# KiCad board AMC_FMC_Carrier-PcbDoc.kicad_pcb (continued)
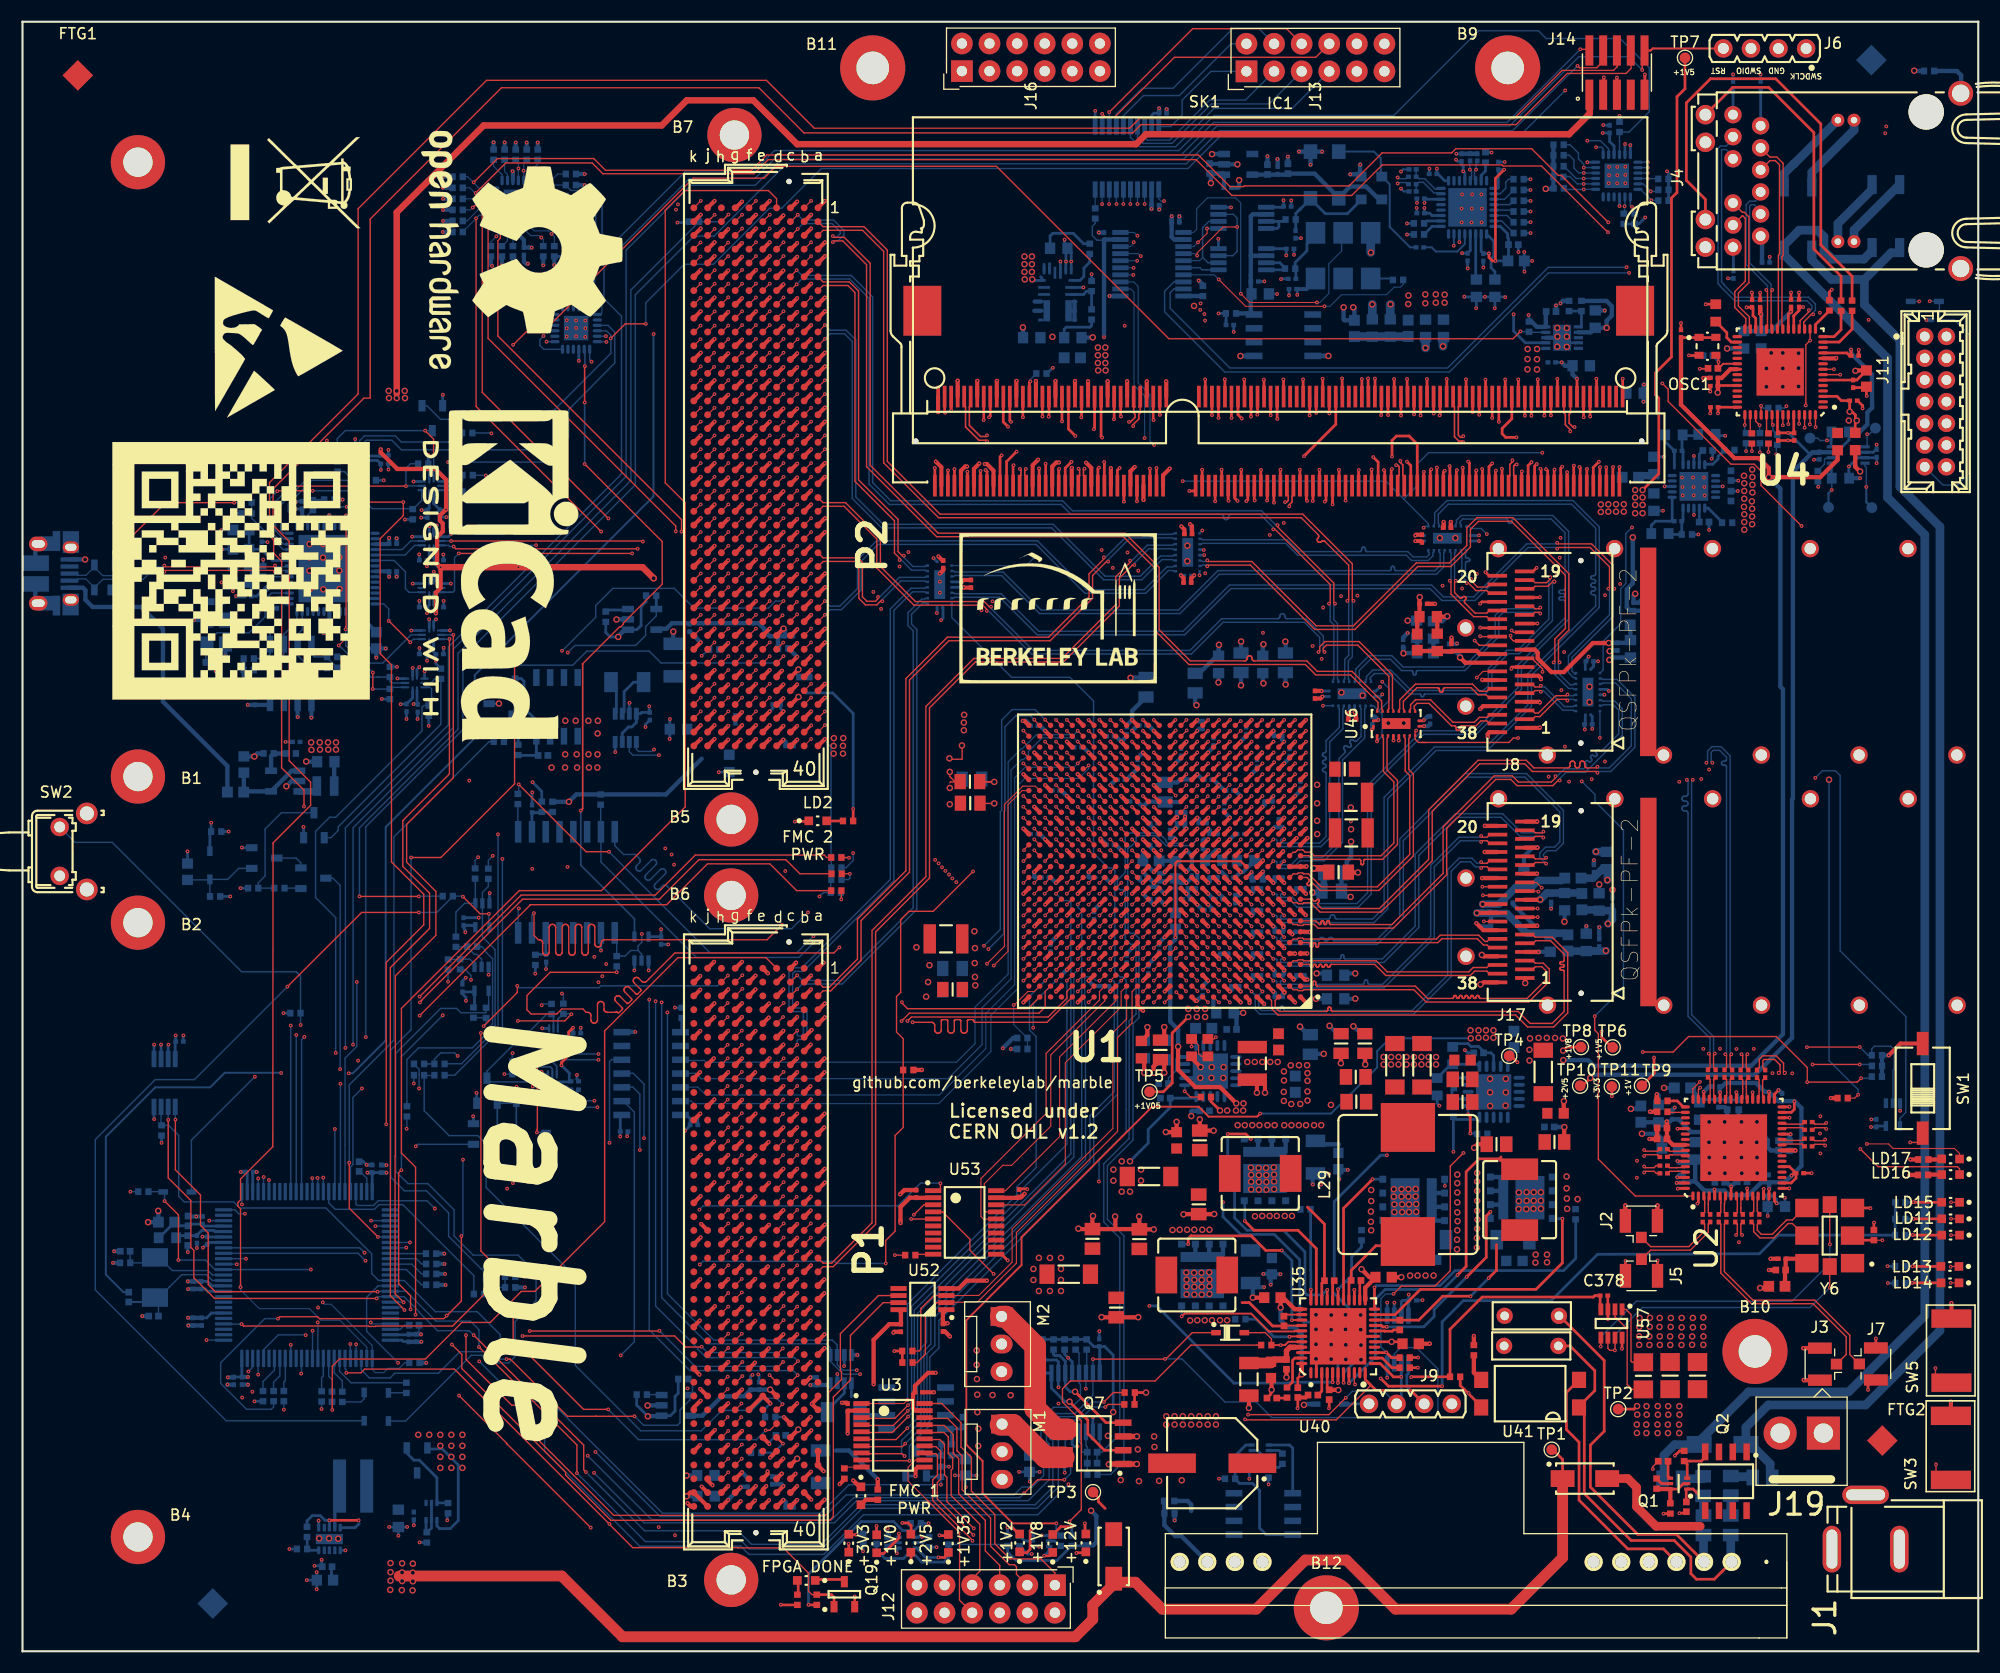
[diagram p0: board, top side]
## Routing (per net, layer and track width the routed paths; a pad name or vN(x,y) marks a point on that pad's centre or on a via; arc(x,y) is an arc through that point) (continued)
/FPGA/FPGA_MISO: length 43.3
  In4.Cu w0.127: v1(22.68,43.37) 25.45,46.14 v1(56.82,46.14)
  Bottom w0.127: 55.27,51.93 56.17,51.93 56.82,51.29 v1(56.82,46.14) ; 22.68,42.31 22.68,43.37 v1(22.68,43.37)
/FPGA/FPGA_MOSI: length 56.4
  In4.Cu w0.127: v1(24.69,28.21) 25.66,27.23 v1(55.05,27.23)
  Bottom w0.127: v1(24.69,28.21) 24.69,26.96 U54.91 ; 55.27,50.66 56.31,49.63 56.31,28.49 v1(55.05,27.23)
/FPGA/FPGA_PWR&MISC/FPGA_INIT: length 117.8
  Top w0.127: v1(112.09,65.75) 111.62,66.22 U1.G7
  In2.Cu w0.127: v1(112.09,65.75) 111.84,65.75 111.48,66.11 110.24,66.11 109.28,67.07 106.97,67.07 106.72,66.83 106.72,64.18 v1(107.09,63.81)
  In4.Cu w0.127: v1(46.92,72.02) 49.84,72.02 50,71.86 60.49,71.86 62.1,73.47 v1(76.45,73.47)
  In7.Cu w0.127: v1(46.92,72.02) 46.24,71.34 v1(46.24,34.48)
  In9.Cu w0.127: v1(107.09,63.81) 106.74,63.81 106.42,64.13 106.19,64.13 105.78,64.54 105.78,64.9 105.28,65.39 104.96,65.39 104.75,65.59 104.75,66.64 104.3,67.1 104.25,67.1 103.78,67.57 103.78,67.82 103.5,68.1 100.82,68.1 100.82,68.1 79.51,68.1 76.63,70.99 76.63,73.3 v1(76.45,73.47)
  Bottom w0.127: v1(76.45,73.47) 76.45,72.79 75.79,72.13 R282.1 ; R159.1 v1(46.24,34.48)
/FPGA/FPGA_REF_CLK0_N: length 140.4
  Top w0.13: v1(158.26,38.32) 158.15,38.43 158.15,39.33 C96.2
  In9.Cu w0.13: v1(158.26,38.32) 158.15,38.43 158.15,39.09 159.63,40.57 165.6,40.57 170.82,45.79 170.82,72.75 167.19,76.39 167.19,112.1 166.28,113.01 166.28,123.66 162.55,127.38 152.36,127.38 147.16,132.59 144.44,132.59 138.32,138.71 134.27,138.71 133.33,137.77 133.33,136.51 v1(133.21,136.39)
  Bottom w0.112: U20.5 133.33,135.45
  Bottom w0.127: R59.2 133.21,137.17 v1(133.21,136.39)
  Bottom w0.13: U20.5 133.36,135.48 133.36,136.24 v1(133.21,136.39)
/FPGA/FPGA_REF_CLK0_P: length 140.4
  Top w0.13: C84.2 157.82,39.33 157.82,38.43 v1(157.71,38.32)
  In9.Cu w0.13: v1(133.78,136.39) 133.66,136.51 133.66,137.64 134.41,138.38 138.18,138.38 144.3,132.26 147.02,132.26 152.23,127.05 162.41,127.05 165.95,123.52 165.95,112.88 166.86,111.96 166.86,76.25 170.49,72.62 170.49,45.93 168.18,43.62 168.15,43.59 168.11,43.57 168.06,43.56 168.02,43.56 167.97,43.57 167.93,43.59 167.9,43.62 167.87,43.65 167.83,43.68 167.79,43.7 167.75,43.71 167.7,43.71 167.66,43.7 167.62,43.68 167.58,43.65 167.55,43.62 167.54,43.57 167.53,43.53 167.53,43.49 167.54,43.44 167.55,43.4 167.58,43.37 167.62,43.33 167.64,43.3 167.66,43.26 167.67,43.22 167.67,43.17 167.66,43.13 167.64,43.09 167.62,43.05 167.58,43.02 167.54,43 167.5,42.99 167.45,42.99 167.41,43 167.37,43.02 167.33,43.05 167.3,43.08 167.26,43.11 167.22,43.13 167.18,43.14 167.14,43.14 167.09,43.13 167.05,43.11 167.02,43.08 166.99,43.05 166.97,43.01 166.96,42.97 166.96,42.92 166.97,42.88 166.99,42.84 167.02,42.8 167.05,42.77 167.08,42.73 167.1,42.69 167.11,42.65 167.11,42.61 167.1,42.56 167.08,42.52 167.05,42.49 165.46,40.9 159.49,40.9 157.82,39.22 157.82,38.43 v1(157.71,38.32)
  Bottom w0.112: U20.6 133.66,135.45
  Bottom w0.127: R60.2 133.78,137.08 v1(133.78,136.39)
  Bottom w0.13: v1(133.78,136.39) 133.63,136.24 133.63,135.48 U20.6
/FPGA/FPGA_RESETn: length 28.5
  Top w0.127: v1(43.35,33.47) 43.11,33.47 39.58,29.94 32.51,29.94 32.47,29.9 31.89,29.9 31.85,29.94 20.34,29.94 v1(20.16,30.11)
  Bottom w0.102: v1(43.35,33.47) 43.38,33.49 R142.1
  Bottom w0.127: v1(20.16,30.11) 18.53,30.11 U54.4 ; R159.2 R142.1
/FPGA/FPGA_SCK: length 43.5
  In4.Cu w0.127: v1(54.02,46.8) 54,46.83 25.12,46.83 22.2,43.9 v1(22.2,43.65)
  Bottom w0.127: 22.18,42.31 22.18,43.64 v1(22.2,43.65) ; 55.27,54.47 54.21,54.47 54.02,54.28 v1(54.02,46.8)
/FPGA/FPGA_SSEL: length 46
  In4.Cu w0.127: v1(21.69,43.53) 21.69,43.77 25.15,47.23 54.33,47.23 54.71,46.85 56.82,46.85 v1(57.2,47.23)
  Bottom w0.127: v1(57.2,47.23) 57.2,52.21 56.21,53.2 55.27,53.2 ; v1(21.69,43.53) 21.68,43.52 21.68,42.31
/FPGA/FPGA_TCK: length 69.3
  Top w0.102: U1.L8 v1(111.12,69.73)
  In2.Cu w0.127: v1(85.94,70.8) 86.62,70.12 93.53,70.12 93.54,70.11 104.94,70.11 104.98,70.14 110.71,70.14 v1(111.12,69.73)
  In4.Cu w0.127: v1(85.94,70.8) 83.88,68.74 78.62,68.74 76.41,66.53 69.79,66.53 67.98,64.72 53.52,64.72 53.4,64.85 51.65,64.85 50.85,64.05 50.85,62.53 49.65,61.32 v1(49.65,60.54)
  Bottom w0.127: v1(49.65,60.54) 49.78,60.41 R229.1
/FPGA/FPGA_TDI: length 75.6
  Top w0.102: U1.R6 v1(113.12,74.73)
  In2.Cu w0.127: v1(113.12,74.73) 112.62,74.73 111.24,73.35 109.97,73.35 108.99,72.36 100.9,72.36 100.63,72.1 97.3,72.1 97.28,72.12 91.64,72.12 91.64,72.12 85.22,72.12 v1(84.94,71.84)
  In4.Cu w0.127: v1(47.78,59.46) 47.78,61.26 49.6,63.08 49.6,64.86 51.11,66.37 57.16,66.37 57.41,66.12 67.56,66.12 71.47,70.03 83.14,70.03 v1(84.94,71.84)
  Bottom w0.127: R215.1 47.91,59.59 v1(47.78,59.46)
/FPGA/FPGA_TDO: length 82.9
  Top w0.102: U1.R7 v1(112.12,74.73)
  In2.Cu w0.127: v1(84.63,72.16) 84.65,72.16 84.85,72.36 100.39,72.36 101.12,73.1 102.3,73.1 102.51,72.88 108.76,72.88 109.98,74.1 111.49,74.1 v1(112.12,74.73)
  In4.Cu w0.127: 70,69.23 71.52,70.74 83.21,70.74 v1(84.63,72.16) ; 70,69.23 67.57,66.79 67.48,66.79 67.47,66.8 50.43,66.8 49.2,65.57 48.23,64.61 44.76,61.14 44.76,53.54 v1(44.35,53.13) ; 70,69.23 69.95,69.18
  Bottom w0.102: R216.1 v1(44.35,53.13)
/FPGA/FPGA_TMS: length 77.7
  Top w0.127: v1(111.13,71.72) 110.62,72.23 U1.N8
  In2.Cu w0.127: v1(85.58,71.14) 86.36,71.14 87.13,70.36 93.83,70.36 93.86,70.34 94.68,70.34 94.69,70.35 94.66,70.36 99.3,70.36 99.31,70.38 101.31,70.38 101.5,70.57 101.5,70.77 101.8,71.07 110.48,71.07 111.12,71.72 v1(111.13,71.72)
  In4.Cu w0.127: v1(85.58,71.14) 83.67,69.23 76.84,69.23 75.97,68.37 72.96,68.37 72.95,68.35 70.67,68.35 67.89,65.57 51.43,65.57 50.29,64.43 50.29,62.78 48.38,60.87 48.38,59.45 45.11,56.18 v1(45.11,55.06)
  Bottom w0.127: R228.1 45.07,55.02 v1(45.11,55.06)
/FPGA/FPGA_XR_GPIO_0: length 48
  Top w0.127: v1(122.65,24.56) 122.58,24.63 U35.9 ; 83.81,40.44 84.69,40.44 87.2,37.93 87.2,36.92 v1(89.38,34.74)
  In9.Cu w0.102: v1(89.38,34.74) 89.63,34.74 96.69,27.68 112.65,27.68 115.56,24.76 119.08,24.76 119.83,25.52 122.2,25.52 122.65,25.07 v1(122.65,24.56)
/FPGA/I2C_APP_SCL: length 355.7
  Top w0.127: v1(145.25,28.05) 145.27,28.07 U57.5 ; 166.85,40.6 Y6.8 166.33,37.47 v1(166.34,37.46)
  In2.Cu w0.127: v1(144.83,138.45) 144.83,139.08 144.32,139.59 94.26,139.59 91.79,137.13 70.2,137.13 67.82,134.74 58.59,134.74 49.7,125.84 v1(49.7,124.54) 51.22,123.03 52.82,123.03 55.14,120.7 55.14,94.99 58.13,92 v1(58.13,83.01) 58.13,68.18 59.11,67.19 59.11,65.25 58.82,64.96 v1(58.82,59.73)
  In9.Cu w0.127: v1(145.25,28.05) 145.07,27.88 145.07,27.8 143.28,26.01 130.94,26.01 125.5,31.44 116.26,31.44 115.99,31.17 104.83,31.17 103.87,32.13 93.81,32.13 90.39,35.55 81.38,35.55 75.92,30.09 75.92,26.41 76.09,26.24 76.09,26.06 76.64,25.51 v1(77.09,25.51)
  Bottom w0.102: U5.15 48.69,133.69 48.94,133.95 R57.1
  Bottom w0.127: 49.7,124.66 v1(49.7,124.54) ; 49.7,124.66 49.7,126.73 52.75,129.78 52.75,132.71 52.02,133.43 50.49,133.43 50,133.93 R57.1 ; 49.7,124.66 U39.19 ; v1(166.34,37.46) 166.34,35.7 162.86,32.22 148.54,32.22 145.25,28.94 v1(145.25,28.05) ; U32.5 56.5,83.03 56.69,82.83 57.95,82.83 v1(58.13,83.01) ; v1(58.82,59.73) 58.82,32.55 63.08,28.3 73.99,28.3 74.33,27.95 U17.5 74.33,26.71 75.54,25.51 v1(77.09,25.51) ; U34.19 145.48,138.3 145.34,138.45 v1(144.83,138.45)
/FPGA/I2C_APP_SDA: length 352.9
  Top w0.127: U57.6 145.92,27.88 146.09,27.7 v1(146.56,27.7) 146.57,27.71 U57.7 ; v1(166.34,33.47) 166.33,33.48 Y6.7 166.34,35.43
  In2.Cu w0.127: v1(144.02,139.05) 95.11,139.05 92.64,136.58 70.24,136.58 68.02,134.36 59.15,134.36 50.2,125.4 v1(50.2,124.73) 51.56,123.37 53.11,123.37 55.53,120.95 55.53,95.41 58.57,92.37 v1(58.57,82.49) 58.57,68.65 60.17,67.05 60.17,64.74 59.36,63.92 v1(59.36,58.8)
  In9.Cu w0.127: v1(146.56,27.7) 144.26,25.41 130.71,25.41 125.86,30.26 117.11,30.26 116.76,29.92 104.88,29.92 103.49,31.3 93.79,31.3 90.42,34.68 90.27,34.68 89.87,35.08 82.41,35.08 76.49,29.16 76.49,26.16 v1(76.78,25.87)
  Bottom w0.102: U5.14 48.19,134.19 48.97,134.97 R75.1
  Bottom w0.127: v1(58.57,82.49) 56.17,82.49 55.85,82.81 U32.6 ; v1(146.56,27.7) 146.56,29.1 149.09,31.64 164.51,31.64 v1(166.34,33.47) ; U34.20 145.98,138.3 145.23,139.05 v1(144.02,139.05) ; v1(59.36,58.8) 59.36,32.91 63.62,28.64 74.53,28.64 74.98,28.19 U17.6 74.98,26.39 75.5,25.87 v1(76.78,25.87) ; 50.2,124.28 U39.20 v1(50.2,124.73) 50.2,126.62 53.34,129.76 53.34,133.59 52.47,134.47 50.48,134.47 50,134.95 R75.1
/FPGA/I2C_CLKMUX_SCL: length 246.8
  Top w0.127: v1(145.95,131.54) 141.64,135.84 141.59,135.86 141.35,135.86 138.9,138.31 131.91,138.31 131.53,137.93 125.13,137.93 122.09,134.89 112.44,134.89 112.37,134.82 111.13,134.82 108.22,137.73 68.5,137.73 67.09,136.33 53.65,136.33 52.58,137.4 43.71,137.4 v1(41.53,135.22) ; v1(154.38,52.42) 153.74,51.78 U2.48
  In2.Cu w0.127: v1(154.38,52.42) 153.74,51.78 153.74,50.92 156.4,48.26 159.62,48.26 162.96,44.92 170.3,44.92 172.39,47.01 172.39,123.14 168.36,127.17 153.79,127.17 149.43,131.54 v1(145.95,131.54)
  Bottom w0.102: R49.1 40.97,135.73 42,134.69 U5.6
/FPGA/I2C_CLKMUX_SDA: length 241.8
  Top w0.127: v1(154.4,51.88) 154.24,51.72 U2.47 ; v1(41.7,134.23) 44.47,137 52.42,137 53.41,136.01 67.33,136.01 68.63,137.3 108.01,137.3 111.31,134.01 122.33,134.01 125.14,136.82 136.18,136.82 136.28,136.72 139.8,136.72 145.41,131.11 v1(145.92,130.62)
  In2.Cu w0.127: v1(154.4,51.88) 154.23,51.71 154.23,50.97 155.39,49.8 160.02,49.8 164.33,45.49 169.45,45.49 172.1,48.14 172.1,79.03 172.06,79.07 172.06,122.62 167.96,126.72 152.92,126.72 149.02,130.62 v1(145.92,130.62)
  Bottom w0.102: U5.5 41.69,134.19 41.17,134.71 R50.1
/FPGA/I2C_FPGA_SCL: length 200.5
  Top w0.127: v1(39.52,28.24) 40.43,27.32 40.43,26.03 49.99,16.47 49.99,16.22 54.15,12.06 74.29,12.06 74.62,12.39 74.62,23.4 76.2,24.97 76.2,29.07 79.22,32.09 U52.7 ; v1(35.71,31.47) 35.71,32.73 34.62,33.82 34.62,44.04 v1(34.87,44.29)
  In2.Cu w0.127: v1(24.05,22.24) 27.78,25.97 30.22,25.97 v1(35.71,31.47) 36.29,31.47 v1(39.52,28.24)
  In7.Cu w0.127: v1(38.67,58.54) 38.67,60.07 36.13,62.61 36.13,85.54 36.02,85.65 36.02,86.71 37.57,88.27 37.57,94.35 36.88,95.04 36.88,104.04 39.93,107.08 39.93,121.86 45.81,127.75 45.81,129.52 46.93,130.65 48.51,130.65 v1(48.69,130.47)
  Bottom w0.102: R39.2 48.94,130.22 v1(48.69,130.47) 48.41,130.75 47.12,130.75 46.64,131.23 U5.19
  Bottom w0.127: v1(38.67,58.54) 34.87,54.74 v1(34.87,44.29) ; v1(24.05,22.24) R136.1
/FPGA/I2C_FPGA_SDA: length 209
  Top w0.127: v1(23.51,30.62) 23.69,30.79 27.15,30.79 27.33,30.62 38.78,30.62 40.39,32.23 v1(40.39,38.22) ; U52.6 78.78,32.74 75.27,29.24 75.27,25.83 75.37,25.73 75.37,25.01 74.19,23.83 74.19,12.79 73.91,12.51 54.41,12.51 46.51,20.41 46.51,21.72 45.59,22.65 45.03,22.65 40.81,26.86 v1(40.81,29.1)
  In2.Cu w0.127: v1(40.81,29.1) 39.04,30.88 v1(39.04,30.9)
  In7.Cu w0.127: v1(47.75,130.14) 47.75,127.9 40.61,120.76 40.61,105.49 38.39,103.27 38.39,100.79 38.82,100.37 38.82,99.62 38.42,99.22 38.42,65.33 37.61,64.53 37.61,61.97 39.32,60.26 39.32,56.89 40.54,55.67 v1(40.54,45.25)
  Bottom w0.102: R40.2 47.93,129.96 47.57,130.32 46.76,130.32 46.14,130.94 U5.20
  Bottom w0.127: R135.1 23.11,22.48 22.91,22.28 20.62,22.28 18.23,24.67 18.23,26.56 22.29,30.62 v1(23.51,30.62) ; v1(40.54,45.25) 40.54,38.37 v1(40.39,38.22) ; 47.8,130.09 v1(47.75,130.14)
/FPGA/I2C_FPGA_SW_RST: length 170.5
  Top w0.127: 83.81,39.79 83.81,39.79 v1(81.79,39.79)
  In2.Cu w0.127: v1(47.52,23.76) 47.52,45.08 44.76,47.83 44.76,54.87 44.72,54.92 44.72,55.25 44.76,55.29 44.76,76.51 v1(41.12,80.15)
  In4.Cu w0.127: v1(61.21,24.2) 60.75,23.74 47.55,23.74 v1(47.52,23.76)
  In7.Cu w0.127: v1(43.61,130.24) 44.43,131.07 48.96,131.07 49.25,130.78 49.25,129.78 48.63,129.16 48.63,127.77 43.38,122.52 43.18,122.52 41.68,121.02 41.68,105.58 41.12,105.02 v1(41.12,80.15) ; v1(81.79,39.79) 76.94,34.94 62.2,34.94 61.21,33.95 v1(61.21,24.2)
  Bottom w0.102: R41.2 43.1,129.73 v1(43.61,130.24) 44.14,130.77 U5.24
/FPGA/PROG_B: length 290.9
  Top w0.102: U1.P6 v1(113.12,73.73)
  Top w0.127: v1(87.48,71.78) 83.82,68.11 81.59,68.11 80.82,67.35 80.82,60.65 80.44,60.27 80.44,57 81.06,56.38 R160.2 81.06,48.22 80.31,47.47 80.31,38.67 79.45,37.81 v1(79.45,35.7) ; v1(176.06,26.06) 176.06,24.73 SW5.2
  In2.Cu w0.127: v1(62.33,35.6) 60.05,33.33 v1(60.05,10.68) ; v1(113.12,73.73) 112.41,73.02 110.1,73.02 109.18,72.1 101.23,72.1 100.49,71.36 90.88,71.36 90.5,71.74 87.52,71.74 v1(87.48,71.78)
  In4.Cu w0.127: v1(19.72,35.63) 30.89,35.63 31.21,35.3 62.03,35.3 v1(62.33,35.6) ; v1(60.05,10.68) 65.32,10.68 66.76,9.24 73.51,9.24 73.83,9.56 80.55,9.56 81,9.11 84.21,9.11 84.4,9.3 93.05,9.3 93.11,9.23 93.68,9.23 93.83,9.39 97.62,9.39 104.74,16.51 104.74,21.97 105.51,22.75 106.27,22.75 107.87,24.35 113.77,24.35 113.99,24.57 117.49,24.57 118.03,25.1 122.61,25.1 122.97,24.74 142.58,24.74 147.86,30.02 147.86,30.56 148.58,31.28 169.99,31.28 175.21,26.06 v1(176.06,26.06)
  Bottom w0.127: v1(62.33,35.6) 62.62,35.9 74.76,35.9 74.95,35.7 v1(79.45,35.7) ; v1(19.72,35.63) 19.71,35.64 U54.15
/FPGA/QSFP1_INT: length 79.8
  Top w0.127: v1(134.41,69.59) 134.43,69.57 J17.28
  In7.Cu w0.127: v1(134.41,69.59) 134.66,69.59 135.73,70.66 135.73,73.96 140.92,79.14 144.55,79.14 152.71,87.3 152.71,98.76 153.12,99.16 153.12,106.22 153.14,106.24 153.14,106.56 153.12,106.58 153.12,108.59 153.03,108.67 153.03,125.77 150.29,128.51 150.29,133.95 v1(149.86,134.38)
  Bottom w0.127: U34.5 149.17,135.07 v1(149.86,134.38) 150.41,134.38 R304.1
/FPGA/QSFP1_LPMODE: length 88.6
  Top w0.102: v1(134.5,67.18) 134.51,67.17 J17.31
  In7.Cu w0.127: v1(134.5,67.18) 139.56,67.18 139.95,67.55 139.95,68.44 139.68,68.72 139.46,68.72 139.06,69.12 139.06,70.63 139.77,71.34 140.92,71.34 141.7,72.13 141.7,73.24 145.21,76.75 146.89,76.75 154.33,84.19 154.33,102.07 154.84,102.58 154.84,105.38 155.16,105.7 155.16,109.01 154.99,109.18 154.99,116.99 155.04,117.04 155.04,118.31 154.53,118.81 154.53,126.89 151.86,129.56 151.86,134.46 150.77,135.56 v1(149.58,135.56)
  Bottom w0.127: R305.1 150.52,135.56 v1(149.58,135.56) 149.56,135.57 U34.4
/FPGA/QSFP1_MOD_PRS: length 77.4
  Top w0.127: J17.27 v1(134.36,70.37)
  In7.Cu w0.127: v1(134.36,70.37) 134.61,70.37 135.35,71.12 135.35,74.08 140.87,79.59 144.37,79.59 152.19,87.42 152.19,125.82 149.91,128.11 v1(149.91,133.57)
  Bottom w0.127: R303.1 150.52,133.57 v1(149.91,133.57) 148.91,134.57 U34.6
/FPGA/QSFP1_MOD_SEL: length 85.1
  Top w0.127: v1(139.45,67.58) 139.45,67.57 J17.8
  In7.Cu w0.127: v1(147.44,133.01) 147.44,134 148.18,134.74 150.29,134.74 150.8,134.23 150.8,128.77 153.72,125.85 153.72,113.22 153.49,112.99 153.49,108.42 153.41,108.34 153.41,106.85 153.47,106.79 153.47,98.43 153.26,98.21 153.26,87.19 144.85,78.78 141.22,78.78 137.59,75.15 137.59,69.41 139.42,67.58 v1(139.45,67.58)
  Bottom w0.127: R301.2 147.44,132.4 v1(147.44,133.01) 147.48,133.05 U34.8
/FPGA/QSFP1_RST: length 87.9
  Top w0.127: J17.9 139.44,68.37 v1(139.44,68.38)
  In7.Cu w0.127: v1(139.44,68.38) 139.44,68.4 137.92,69.92 137.92,74.39 141.93,78.4 145.13,78.4 145.59,78.85 145.59,78.94 146.09,79.44 146.17,79.44 153.84,87.11 153.84,103.88 154.23,104.26 154.23,117.17 154.03,117.37 154.03,119.55 154.02,119.55 154.02,126.3 151.25,129.07 151.25,134.43 150.57,135.12 148,135.12 146.61,133.72 146.61,132.71 146.89,132.43 147.6,132.43 v1(148.13,132.96)
  Bottom w0.127: U34.7 147.98,133.11 v1(148.13,132.96) 148.13,132.57 R302.2
/FPGA/QSFP1_RX_0_N: length 38.2
  Top w0.127: U1.E3 v1(116.12,63.73)
  Top w0.13: J17.18 138.99,75.57 139.23,75.34 139.86,75.34 v1(139.97,75.45)
  Bottom w0.13: 116.12,63.73 115.85,63.73 115.78,63.67 115.78,63.51 115.89,63.4 118.32,63.4 118.65,63.73 121.22,63.73 121.25,63.73 121.28,63.74 121.3,63.76 121.32,63.78 121.34,63.81 121.35,63.83 121.35,63.86 121.35,63.98 121.35,64.01 121.36,64.04 121.38,64.07 121.4,64.09 121.42,64.1 121.45,64.11 121.48,64.11 121.51,64.11 121.54,64.1 121.56,64.09 121.58,64.07 121.6,64.04 121.61,64.01 121.61,63.98 121.61,63.86 121.61,63.83 121.62,63.81 121.64,63.78 121.66,63.76 121.68,63.74 121.71,63.73 121.74,63.73 125.15,63.73 128.18,66.76 128.18,73.39 131.88,77.1 136.22,77.1 137.97,75.34 139.86,75.34 v1(139.97,75.45)
/FPGA/QSFP1_RX_0_P: length 38.2
  Top w0.127: U1.E4 v1(115.12,63.73)
  Top w0.13: v1(139.97,74.9) 139.86,75.01 139.23,75.01 138.99,74.77 J17.17
  Bottom w0.13: 115.12,63.73 115.38,63.73 115.45,63.66 115.45,63.37 115.76,63.07 118.45,63.07 118.79,63.4 125.29,63.4 128.51,66.62 128.51,73.26 132.02,76.77 136.08,76.77 137.84,75.01 139.86,75.01 v1(139.97,74.9)
/FPGA/QSFP1_RX_1_N: length 31.4
  Top w0.127: U1.C3 v1(116.12,61.73)
  Top w0.13: v1(134.24,75.05) 134.35,74.94 134.8,74.94 135.03,75.17 J17.21
  Bottom w0.13: 116.11,61.73 115.84,61.73 115.77,61.66 115.77,61.5 115.88,61.39 123.35,61.39 123.39,61.4 123.42,61.41 123.45,61.43 123.47,61.45 123.49,61.48 123.5,61.51 123.5,61.54 123.5,61.65 123.51,61.68 123.52,61.71 123.54,61.74 123.56,61.76 123.59,61.78 123.62,61.79 123.65,61.8 123.69,61.79 123.72,61.78 123.75,61.76 123.77,61.74 123.79,61.71 123.8,61.68 123.8,61.65 123.8,61.54 123.81,61.51 123.82,61.48 123.84,61.45 123.86,61.43 123.89,61.41 123.92,61.4 123.95,61.39 125.18,61.39 129.6,65.82 129.6,72.34 132.2,74.94 134.13,74.94 v1(134.24,75.05)
/FPGA/QSFP1_RX_1_P: length 31.4
  Top w0.127: U1.C4 v1(115.12,61.73)
  Top w0.13: v1(134.24,74.5) 134.35,74.61 134.8,74.61 135.03,74.37 J17.22
  Bottom w0.13: v1(134.24,74.5) 134.13,74.61 132.33,74.61 129.93,72.21 129.93,65.68 125.31,61.06 115.74,61.06 115.44,61.37 115.44,61.65 115.37,61.73 115.11,61.73
/FPGA/QSFP1_RX_2_N: length 36.8
  Top w0.127: U1.B5 v1(114.12,60.73)
  Top w0.13: J17.24 135.03,72.77 134.8,72.54 134.35,72.54 v1(134.24,72.65)
  Bottom w0.13: v1(134.24,72.65) 134.13,72.54 133.86,72.54 133.4,73 132.22,73 131.16,71.95 131.16,62.25 127.9,58.98 116.23,58.98 116.2,58.99 116.17,59 116.14,59.01 116.11,59.04 116.1,59.07 116.08,59.1 116.08,59.13 116.08,59.24 116.08,59.27 116.07,59.3 116.05,59.33 116.02,59.35 116,59.37 115.96,59.38 115.93,59.39 115.9,59.38 115.87,59.37 115.84,59.35 115.81,59.33 115.8,59.3 115.78,59.27 115.78,59.24 115.78,59.13 115.78,59.1 115.77,59.07 115.75,59.04 115.72,59.01 115.7,59 115.66,58.99 115.63,58.98 114.01,58.98 113.78,59.21 113.78,60.4 v1(114.12,60.73)
/FPGA/QSFP1_RX_2_P: length 36.8
  Top w0.127: U1.B6 v1(113.12,60.73)
  Top w0.13: v1(134.24,72.1) 134.35,72.21 134.8,72.21 135.03,71.97 J17.25
  Bottom w0.13: v1(113.12,60.73) 113.45,60.4 113.45,59.07 113.88,58.65 128.04,58.65 131.5,62.11 131.5,71.81 132.35,72.67 133.26,72.67 133.72,72.21 134.13,72.21 v1(134.24,72.1)
/FPGA/QSFP1_RX_3_N: length 47.8
  Top w0.13: J17.15 138.99,73.17 139.23,72.94 140.12,72.94 v1(140.23,73.05) ; U1.G3 v1(116.12,65.73)
  Bottom w0.13: 116.12,65.73 115.85,65.73 115.78,65.66 115.78,65.5 115.89,65.4 119.22,65.4 119.26,65.4 119.29,65.41 119.32,65.43 119.35,65.45 119.36,65.48 119.38,65.52 119.38,65.58 119.39,65.62 119.41,65.65 119.44,65.67 119.47,65.69 119.5,65.7 119.53,65.7 119.63,65.7 119.67,65.7 119.7,65.69 119.73,65.67 119.76,65.65 119.77,65.62 119.79,65.58 119.79,65.52 119.8,65.48 119.82,65.45 119.85,65.43 119.88,65.41 119.91,65.4 119.94,65.4 120.04,65.4 120.08,65.4 120.11,65.41 120.14,65.43 120.17,65.45 120.18,65.48 120.2,65.52 120.2,65.58 120.21,65.62 120.23,65.65 120.26,65.67 120.29,65.69 120.32,65.7 120.35,65.7 120.45,65.7 120.49,65.7 120.52,65.69 120.55,65.67 120.58,65.65 120.59,65.62 120.61,65.58 120.61,65.52 120.62,65.48 120.64,65.45 120.67,65.43 120.7,65.41 120.73,65.4 120.76,65.4 124.53,65.4 126.76,67.62 126.76,74.77 132.78,80.8 138.42,80.8 141.81,77.4 141.81,74.37 141.14,73.7 140.32,73.7 139.98,73.35 139.98,73.21 140.14,73.05 v1(140.23,73.05)
/FPGA/QSFP1_RX_3_P: length 47.7
  Top w0.13: v1(140.23,72.5) 140.12,72.61 139.23,72.61 138.99,72.37 J17.14 ; U1.G4 v1(115.12,65.73)
  Bottom w0.13: v1(140.23,72.5) 139.65,73.08 139.65,73.49 140.18,74.03 141,74.03 141.48,74.51 141.48,77.26 138.28,80.47 132.92,80.47 127.09,74.63 127.09,67.49 124.67,65.07 115.76,65.07 115.45,65.37 115.45,65.65 115.38,65.73 115.12,65.73
/FPGA/QSFP1_TX_0_N: length 20
  Top w0.13: U1.D1 118.41,63.23 118.43,63.23 118.46,63.22 118.49,63.2 118.51,63.18 118.52,63.16 118.53,63.13 118.54,63.1 118.54,63.1 118.54,63.07 118.55,63.04 118.56,63.02 118.58,62.99 118.61,62.98 118.64,62.97 118.67,62.97 118.69,62.97 118.72,62.98 118.75,62.99 118.77,63.02 118.78,63.04 118.79,63.07 118.8,63.1 118.8,63.1 118.8,63.13 118.81,63.16 118.82,63.18 118.84,63.2 118.87,63.22 118.9,63.23 118.93,63.23 118.95,63.23 118.98,63.22 119.01,63.2 119.03,63.18 119.04,63.16 119.05,63.13 119.06,63.1 119.06,63.1 119.06,63.07 119.07,63.04 119.08,63.02 119.1,62.99 119.13,62.98 119.16,62.97 119.19,62.97 119.21,62.97 119.24,62.98 119.27,62.99 119.29,63.02 119.3,63.04 119.31,63.07 119.32,63.1 119.32,63.1 119.32,63.13 119.33,63.16 119.34,63.18 119.36,63.2 119.39,63.22 119.42,63.23 119.45,63.23 119.47,63.23 119.5,63.22 119.53,63.2 119.55,63.18 119.56,63.16 119.57,63.13 119.58,63.1 119.58,63.1 119.58,63.07 119.59,63.04 119.6,63.02 119.62,62.99 119.65,62.98 119.68,62.97 119.71,62.97 119.73,62.97 119.76,62.98 119.79,62.99 119.81,63.02 119.82,63.04 119.83,63.07 119.84,63.1 119.84,63.1 119.84,63.13 119.85,63.16 119.86,63.18 119.88,63.2 119.91,63.22 119.94,63.23 119.97,63.23 119.99,63.23 120.02,63.22 120.05,63.2 120.07,63.18 120.08,63.16 120.09,63.13 120.1,63.1 120.1,63.1 120.1,63.07 120.11,63.04 120.12,63.02 120.14,62.99 120.17,62.98 120.2,62.97 120.23,62.97 120.25,62.97 120.28,62.98 120.31,62.99 120.33,63.02 120.34,63.04 120.35,63.07 120.36,63.1 120.36,63.1 120.36,63.13 120.37,63.16 120.38,63.18 120.4,63.2 120.43,63.22 120.46,63.23 120.49,63.23 124.45,63.23 125.47,62.21 133.25,62.21 133.65,62.61 134.76,62.61 135,62.37 J17.37
/FPGA/QSFP1_TX_0_P: length 20
  Top w0.13: U1.D2 116.95,63.56 117.33,63.56 117.42,63.65 117.82,63.65 117.91,63.56 124.58,63.56 125.61,62.54 133.11,62.54 133.51,62.94 134.79,62.94 135.02,63.17 J17.36
/FPGA/QSFP1_TX_1_N: length 29.1
  Top w0.13: J17.2 138.99,62.77 139.23,63.01 139.84,63.01 140.18,62.66 140.18,61.8 138.48,60.1 134.19,60.1 134.16,60.1 134.13,60.11 134.11,60.12 134.08,60.14 134.07,60.17 134.06,60.2 134.06,60.23 134.06,60.24 134.05,60.27 134.04,60.3 134.03,60.32 134.01,60.34 133.98,60.36 133.96,60.37 133.93,60.37 133.9,60.37 133.87,60.36 133.85,60.34 133.82,60.32 133.81,60.3 133.8,60.27 133.8,60.24 133.8,60.23 133.79,60.2 133.78,60.17 133.77,60.14 133.75,60.12 133.72,60.11 133.7,60.1 133.67,60.1 133.64,60.1 133.61,60.11 133.59,60.12 133.56,60.14 133.55,60.17 133.54,60.2 133.54,60.23 133.54,60.24 133.53,60.27 133.52,60.3 133.51,60.32 133.49,60.34 133.46,60.36 133.44,60.37 133.41,60.37 133.38,60.37 133.35,60.36 133.33,60.34 133.3,60.32 133.29,60.3 133.28,60.27 133.28,60.24 133.28,60.23 133.27,60.2 133.26,60.17 133.25,60.14 133.23,60.12 133.2,60.11 133.18,60.1 133.15,60.1 133.12,60.1 133.09,60.11 133.07,60.12 133.04,60.14 133.03,60.17 133.02,60.2 133.02,60.23 133.02,60.24 133.01,60.27 133,60.3 132.99,60.32 132.97,60.34 132.94,60.36 132.92,60.37 132.89,60.37 132.86,60.37 132.83,60.36 132.81,60.34 132.78,60.32 132.77,60.3 132.76,60.27 132.76,60.24 132.76,60.23 132.75,60.2 132.74,60.17 132.73,60.14 132.71,60.12 132.68,60.11 132.66,60.1 132.63,60.1 132.6,60.1 132.57,60.11 132.55,60.12 132.52,60.14 132.51,60.17 132.5,60.2 132.5,60.23 132.5,60.24 132.49,60.27 132.48,60.3 132.47,60.32 132.45,60.34 132.42,60.36 132.4,60.37 132.37,60.37 132.34,60.37 132.31,60.36 132.29,60.34 132.26,60.32 132.25,60.3 132.24,60.27 132.24,60.24 132.24,60.23 132.23,60.2 132.22,60.17 132.21,60.14 132.19,60.12 132.16,60.11 132.14,60.1 132.11,60.1 132.08,60.1 132.05,60.11 132.03,60.12 132,60.14 131.99,60.17 131.98,60.2 131.98,60.23 131.98,60.24 131.97,60.27 131.96,60.3 131.95,60.32 131.93,60.34 131.9,60.36 131.88,60.37 131.85,60.37 131.82,60.37 131.79,60.36 131.77,60.34 131.74,60.32 131.73,60.3 131.72,60.27 131.72,60.24 131.72,60.23 131.71,60.2 131.7,60.17 131.69,60.14 131.67,60.12 131.64,60.11 131.62,60.1 131.59,60.1 129.32,60.1 128.18,61.23 119.16,61.23 119.13,61.23 119.1,61.24 119.08,61.26 119.06,61.28 119.04,61.3 119.03,61.33 119.03,61.36 119.03,61.55 119.03,61.58 119.02,61.61 119,61.63 118.98,61.65 118.96,61.67 118.93,61.68 118.9,61.68 118.87,61.68 118.84,61.67 118.82,61.65 118.8,61.63 118.78,61.61 118.77,61.58 118.77,61.55 118.77,61.36 118.77,61.33 118.76,61.3 118.74,61.28 118.72,61.26 118.7,61.24 118.67,61.23 118.64,61.23 U1.B1
/FPGA/QSFP1_TX_1_P: length 29.1
  Top w0.13: U1.B2 116.95,60.9 117.33,60.9 117.42,60.81 117.82,60.81 117.91,60.9 128.05,60.9 129.18,59.77 138.62,59.77 140.52,61.66 140.52,62.8 139.97,63.34 139.23,63.34 138.99,63.57 J17.3
/FPGA/QSFP1_TX_2_N: length 39.9
  Top w0.13: J17.5 139.03,65.17 139.27,65.41 140.64,65.41 141.89,64.16 141.89,63.61 141.88,63.58 141.87,63.55 141.86,63.53 141.84,63.51 141.81,63.49 141.78,63.48 141.75,63.48 141.63,63.48 141.6,63.47 141.57,63.47 141.55,63.45 141.53,63.43 141.51,63.4 141.5,63.38 141.5,63.35 141.5,63.32 141.51,63.29 141.53,63.27 141.55,63.25 141.57,63.23 141.6,63.22 141.63,63.22 141.75,63.22 141.78,63.21 141.81,63.21 141.84,63.19 141.86,63.17 141.87,63.14 141.88,63.12 141.89,63.09 141.88,63.06 141.87,63.03 141.86,63.01 141.84,62.99 141.81,62.97 141.78,62.96 141.75,62.96 141.63,62.96 141.6,62.95 141.57,62.95 141.55,62.93 141.53,62.91 141.51,62.88 141.5,62.86 141.5,62.83 141.5,62.8 141.51,62.77 141.53,62.75 141.55,62.73 141.57,62.71 141.6,62.7 141.63,62.7 141.75,62.7 141.78,62.69 141.81,62.69 141.84,62.67 141.86,62.65 141.87,62.62 141.88,62.6 141.89,62.57 141.89,58.9 140.78,57.8 138.75,57.8 137.65,58.9 120.58,58.9 120.55,58.9 120.52,58.91 120.49,58.93 120.47,58.95 120.45,58.98 120.44,59.01 120.43,59.05 120.43,59.15 120.43,59.18 120.42,59.21 120.4,59.24 120.38,59.26 120.35,59.28 120.32,59.29 120.28,59.3 120.25,59.29 120.22,59.28 120.19,59.26 120.17,59.24 120.15,59.21 120.14,59.18 120.13,59.15 120.13,59.05 120.13,59.01 120.12,58.98 120.1,58.95 120.08,58.93 120.05,58.91 120.02,58.9 119.98,58.9 115.69,58.9 115.28,59.3 115.28,59.9 U1.A3